# Altium PCB P-MT3620RDB-1-6.PcbDoc (part 2 of 4)
Units mm, origin at the board's own origin, x right, y up, seen from the top; angles counter-clockwise.
Board outline 50 x 85 mm, 4 copper layers (Component Side, Ground Plane, Power Plane, Solder Side), stack 1.63 mm thick; 249 components, 202 nets, 875 pads, 821 vias.
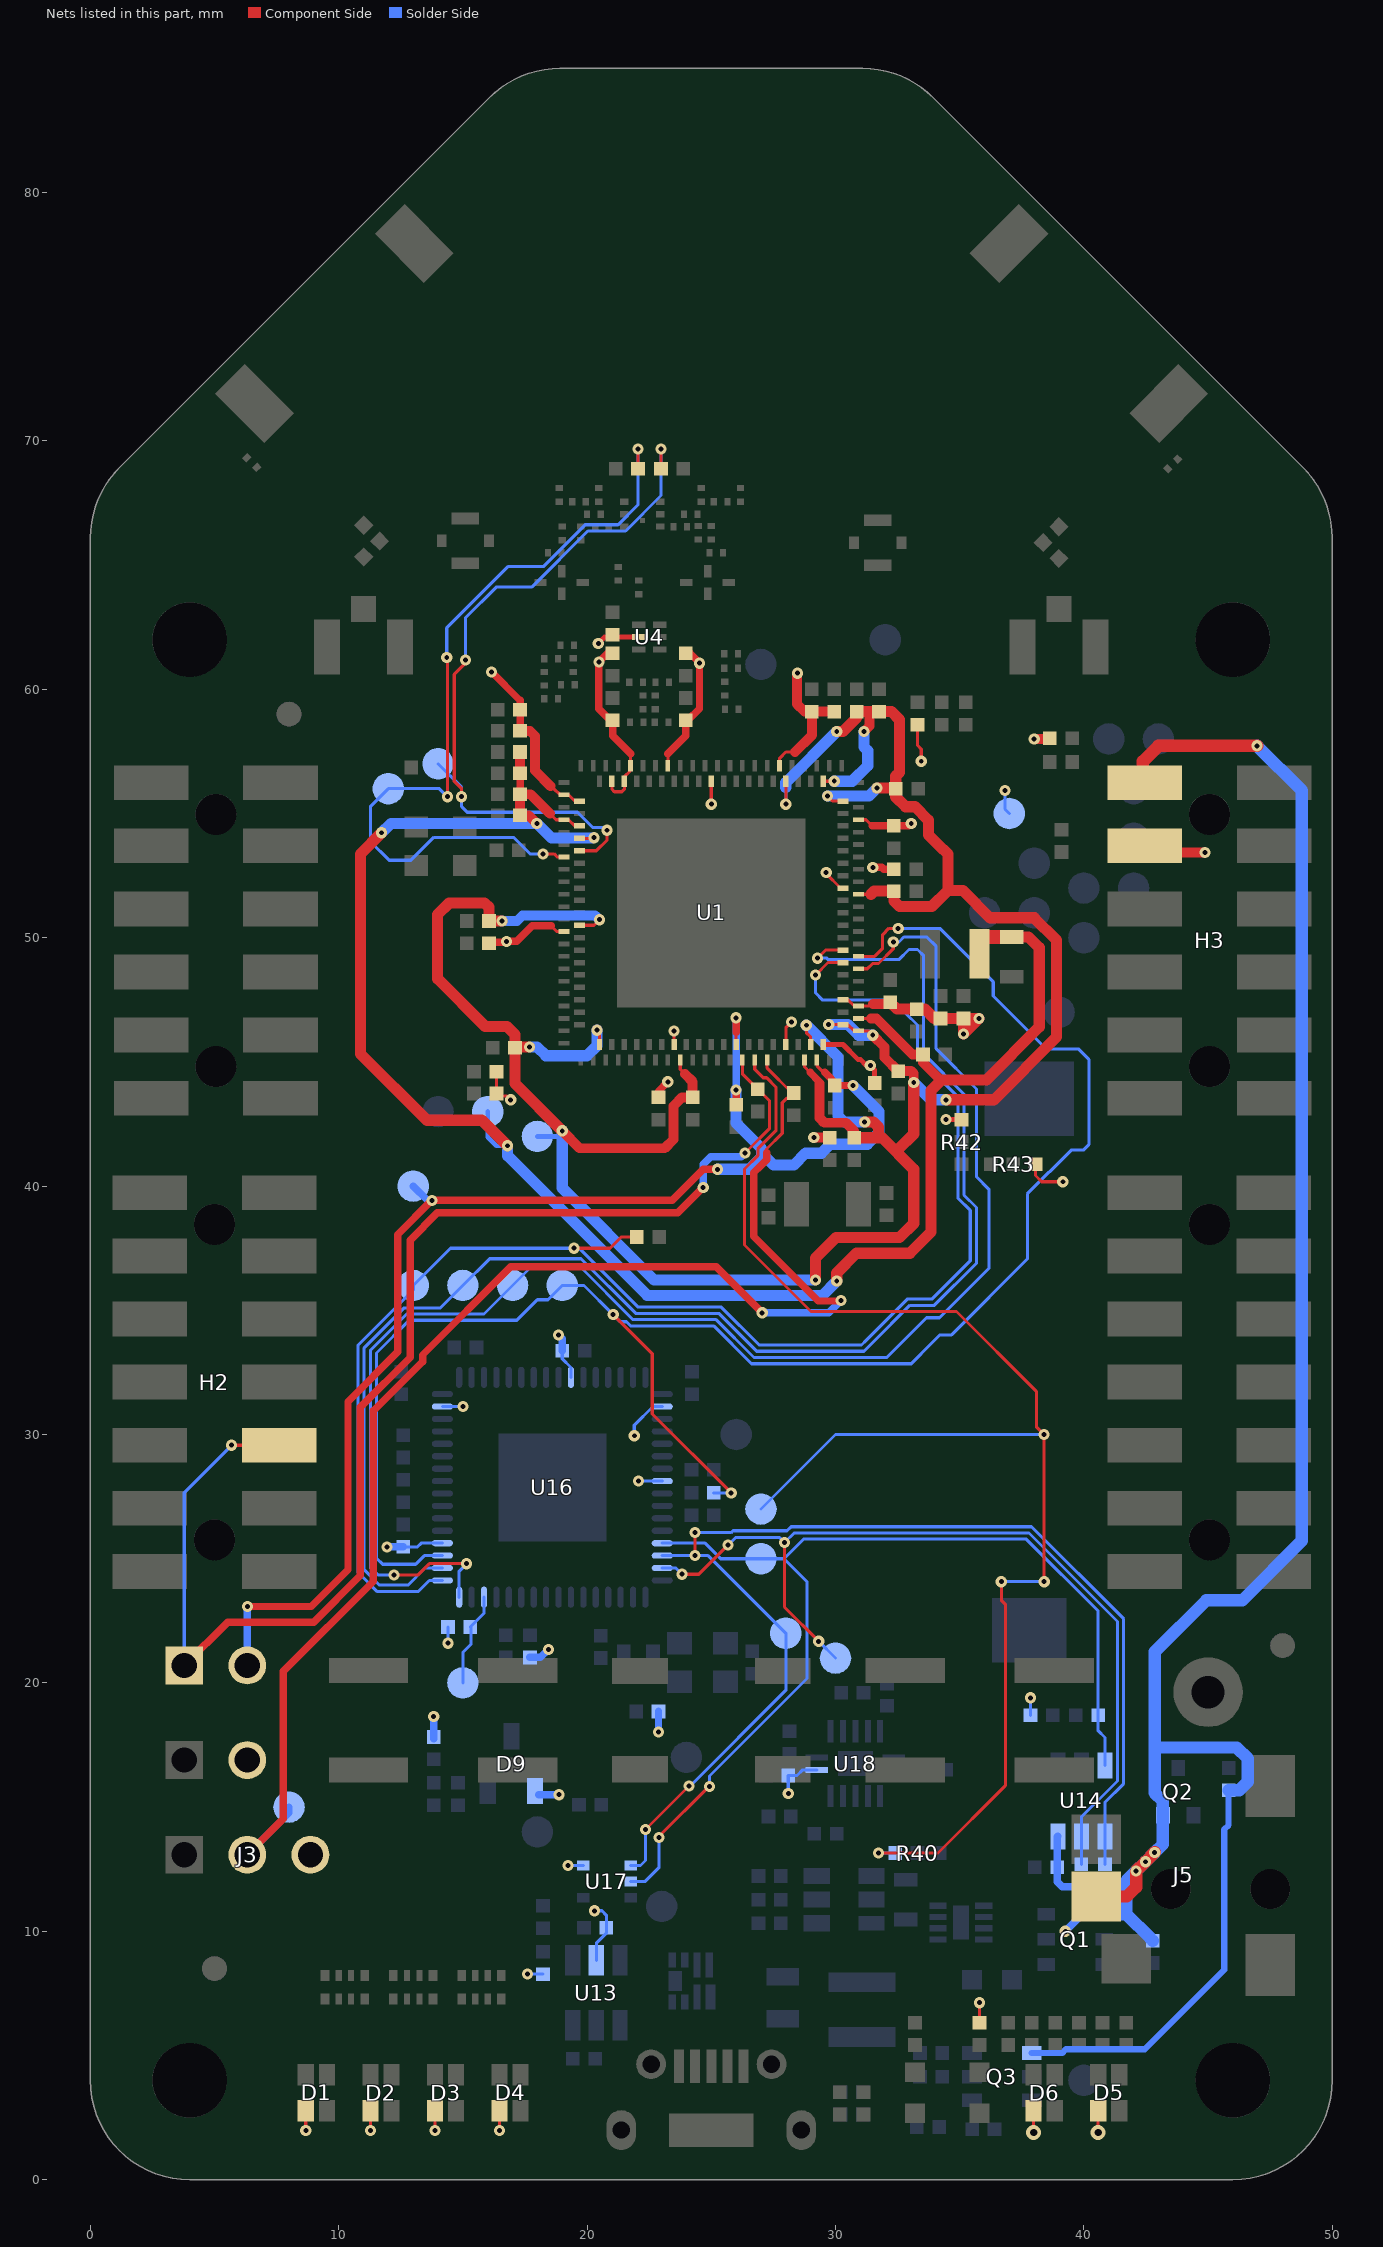
[diagram p4: the nets of this part, all layers, seen from the top]

## Part data (continued)
D1 D2 D3 D4 D5 D6: "LED RGB DIFFUSED 0606 SMD", Color="Red, Green, Blue (RGB)", Current - Test="20mA Red, 20mA Green, 20mA Blue", Lens Color=White, Manufacturer="Lite-On Inc.", Millicandela Rating="112.5mcd Red, 281mcd Green, 104mcd Blue", Package / Case="0606 (1616 Metric)", Supplier Part Number 1=160-2162-1-ND, Voltage - Forward (Vf) (Typ)="2.1V Red, 3.35V Green, 3.35V Blue", Category=Optoelectronics, ComponentLink1Description=http://optoelectronics.liteon.com/upload/download/DS22-2008-0044/S_110_LTST-C19HE1WT.pdf, ComponentLink1URL=http://optoelectronics.liteon.com/upload/download/DS22-2008-0044/S_110_LTST-C19HE1WT.pdf, Features=-, Height (Max)=0.35mm, Lens Style/Size="Rectangle with Flat Top, 1.15mm x 1.60mm", Lens Transparency=Diffused, Manufacturer Part Number=LTST-C19HE1WT, Mounting Type="Surface Mount", Packaging="Cut Tape (CT)", Part Status=Active, Pricing 1="1=0.45, 10=0.32, 25=0.2616, 100=0.2093, 250=0.17664, 500=0.15048, 1000=0.11776 (GBP)", RoHS="RoHS Compliant", Size / Dimension="1.60mm L x 1.60mm W", Stock 1=464778, Supplier 1=Digi-Key, Viewing Angle=130°, Wavelength - Dominant="624nm Red, 525nm Green, 470nm Blue", Wavelength - Peak="632nm Red, 520nm Green, 468nm Blue"
D7: library part SML-D12U, "1.6 x 0.8 x 0.55mm (0603) LED 620nm Red", Colour=Red, Current - Test=20mA, Luminous Flux @ Current - Test=-, Manufacturer="Rohm Semiconductor", Manufacturer Part Number=SML-D12U8WT86, Millicandela Rating=63mcd, Package / Case="0603 (1608 Metric)", Supplier Part Number 1=511-1580-1-ND, Voltage - Forward (Vf) (Typ)=2.2V, Category=Optoelectronics, ComponentLink1Description=http://rohmfs.rohm.com/en/products/databook/datasheet/opto/led/chip_mono/sml-d1.pdf, ComponentLink1URL=http://rohmfs.rohm.com/en/products/databook/datasheet/opto/led/chip_mono/sml-d1.pdf, Height=0.55mm, Lens Style/Size="Rectangle with Flat Top, 1.2mm x 0.8mm", Lens Type="Diffused, White", Mounting Type="Surface Mount", Packaging="Cut Tape (CT)", Pricing 1="1=0.38, 10=0.279, 25=0.2232, 100=0.1478, 250=0.1046, 500=0.08926, 1000=0.06974 (GBP)", RoHS="RoHS Compliant", Size / Dimension="1.60mm L x 0.80mm W", Stock 1=5722, Supplier 1=Digi-Key, Supplier 2=Farnell, Supplier Part Number 2=1685094, Viewing Angle=-, Wavelength - Dominant=620nm, Wavelength - Peak=-
D8: library part SML-D12P, "1.6 x 0.8 x 0.55mm (0603) LED 560nm Green", Colour=Green, Current - Test=20mA, Luminous Flux @ Current - Test=-, Manufacturer="Rohm Semiconductor", Manufacturer Part Number=SML-D12P8WT86, Millicandela Rating=6.3mcd, Package / Case="0603 (1608 Metric)", Supplier Part Number 1=511-1579-1-ND, Voltage - Forward (Vf) (Typ)=2.2V, Category=Optoelectronics, ComponentLink1Description=http://rohmfs.rohm.com/en/products/databook/datasheet/opto/led/chip_mono/sml-d1.pdf, ComponentLink1URL=http://rohmfs.rohm.com/en/products/databook/datasheet/opto/led/chip_mono/sml-d1.pdf, Height=0.55mm, Lens Style/Size="Rectangle with Flat Top, 1.2mm x 0.8mm", Lens Type="Diffused, White", Mounting Type="Surface Mount", Packaging="Cut Tape (CT)", Pricing 1="1=0.38, 10=0.279, 25=0.2232, 100=0.1478, 250=0.1046, 500=0.08926, 1000=0.06974 (GBP)", RoHS="RoHS Compliant", Size / Dimension="1.60mm L x 0.80mm W", Stock 1=19305, Supplier 1=Digi-Key, Viewing Angle=-, Wavelength - Dominant=560nm, Wavelength - Peak=-
D9: "DIODE ARRAY SCHOTTKY 30V SOT23-3", Average Rectified Current=100mA, Capacitance=7pF, Case/Package=SOT-23, Forward Voltage=1V, Manufacturer=STMicroelectronics, Max Forward Surge Current (Ifsm)=750mA, Max Operating Temperature=150°C, Max Repetitive Reverse Voltage (Vrrm)=30V, Min Operating Temperature=-65°C, Package Quantity=3000, Peak Reverse Current=500nA, Power Dissipation=250mW, Supplier Part Number 1=1562326RL, ComponentLink1Description=http://www.farnell.com/datasheets/1700360.pdf, ComponentLink1URL=http://www.farnell.com/datasheets/1700360.pdf, ComponentLink2Description=http://www.jameco.com/Jameco/Products/ProdDS/869700.pdf, ComponentLink2URL=http://www.jameco.com/Jameco/Products/ProdDS/869700.pdf, ComponentLink3Description=http://www.alliedelec.com/images/products/datasheets/bm/STMICROELECTRONICS/70013844.pdf, ComponentLink3URL=http://www.alliedelec.com/images/products/datasheets/bm/STMICROELECTRONICS/70013844.pdf, ComponentLink4Description=http://www.farnell.com/datasheets/1837092.pdf, ComponentLink4URL=http://www.farnell.com/datasheets/1837092.pdf, ComponentLink5Description=http://www.st.com/content/ccc/resource/technical/document/datasheet/b3/b4/6e/ab/17/40/40/62/CD00000764.pdf/files/CD00000764.pdf/jcr:content/translations/en.CD00000764.pdf, ComponentLink5URL=http://www.st.com/content/ccc/resource/technical/document/datasheet/b3/b4/6e/ab/17/40/40/62/CD00000764.pdf/files/CD00000764.pdf/jcr:content/translations/en.CD00000764.pdf, ComponentLink6Description=http://www.st.com/web/en/resource/technical/document/datasheet/CD00000764.pdf, ComponentLink6URL=http://www.st.com/web/en/resource/technical/document/datasheet/CD00000764.pdf, Contact Plating=Matte,Tin, Current Rating=100mA, Element Configuration="Common Cathode", Forward Current=100mA, Height=0.95mm, Lead Free="Lead Free", Length=2.9mm, Manufacturer Part Number=BAR43CFILM, Max Reverse Voltage (DC)=30V, Mount="Surface Mount", Number of Pins=3, Packaging="Tape and Reel", Peak Non-Repetitive Surge Current=750mA, Radiation Hardening=No, REACH SVHC="No SVHC", Reverse Recovery Time=5ns, Stock 1=0, Supplier 1=Farnell, Termination=SMD/SMT, Voltage Rating (DC)=30V, Weight=0.01lb, Width=3.05mm
GND: "VERO - 20-2136 - TERMINAL, PCB, BLACK, PK100", Colour=Black, Manufacturer=VERO, Supplier Part Number 1=8731195, Body Height Max=3.1, Body Height Min=2.9, ComponentLink1Description=http://www.farnell.com/datasheets/1697168.pdf, ComponentLink1URL=http://www.farnell.com/datasheets/1697168.pdf, Connector Colour=Black, Connector Mounting="Through Hole Mount", Contact Material="Phosphor Bronze", Contact Plating="Tin Plated Contacts", External Length / Height=8.7, Lead Length=3.4, Manufacturer Part Number=20-2136, Material=Glass, Mounting Hole Dia=1.32, Panel Thickness="1.6mm<!--FANDB--><div class=\"features-and-benefits-container\"><div class=\"features-and-benefits-description\"><span class=\"features-benefits-value\">The 20-2136 from Vero is a black bead terminal assembly for 1.32mm hole size. This PCB test point is used for attaching leads to test scopes and probes with scintered glass insulator. The compliant pin design allows terminal to be inserted without damaging hole plating. The terminal will remain in place even when the board is inverted for soldering. The sintered glass bead has a recommended maximum working temperature of 475°C. This exceeds all current standard temperature profile requirements.</span></div><div class=\"features-and-benefits-list\"><ul class=\"features-and-benefits-list-list\"><li class=\"features-and-benefits-list-item\">Used for 1.6", PCB Hole Diameter=1.32, Pricing 1="100=0.1129, 500=0.1073, 1000=0.1016, 5000=0.096, 10000=0.0903 (GBP)", Product Range="Type 8 Series", RoHS=YES, Stock 1=960, Supplier 1=Farnell, SVHC="No SVHC (17-Dec-2015)"
H1 H3: "CONN HEADER 12POS .100\" SMD GOLD", Case/Package=SMD/SMT, Housing Colour=Black, Manufacturer=Samtec, Max Current Rating=7A, Max Operating Temperature=125°C, Max Voltage Rating (AC)=475V, Min Operating Temperature=-55°C, Supplier Part Number 1=SAM12240-ND, ComponentLink1Description=http://components.arrow.com/part/dataview/0323_01322952, ComponentLink1URL=http://components.arrow.com/part/dataview/0323_01322952, ComponentLink2Description=http://www.samtec.com/documents/webfiles/pdf/TSM.PDF, ComponentLink2URL=http://www.samtec.com/documents/webfiles/pdf/TSM.PDF, Connector Type=Solder, Contact Material=Bronze, Contact Plating=Nickel,Gold, Depth=5.08mm, Gender=Male, Housing Material=Polymer, Lead Free="Lead Free", Length=15.24mm, Manufacturer Part Number=TSM-106-01-L-DV-A, Number of Contacts=12, Number of Rows=2, Orientation=Straight, Packaging=Rail/Tube, Pitch=2.54mm, Pricing 1="1=1.92, 10=1.74, 100=1.491, 500=1.2425, 1000=1.065, 5000=0.9443, 10000=0.923 (USD)", Radiation Hardening=No, Stock 1=294, Supplier 1=Digi-Key, Termination=Solder
H2 H4: "CONN HEADER 14POS .100\" SMD GOLD", Case/Package=100, Colour=Black, Manufacturer=Samtec, Max Current Rating=7A, Max Operating Temperature=125°C, Max Voltage Rating (AC)=475V, Min Operating Temperature=-55°C, Supplier Part Number 1=SAM10809-ND, ComponentLink1Description=https://datasheet.ciiva.com/739/tsm-1xx-xx-xxx-xx-x-xxx-x-mkt-739691.pdf, ComponentLink1URL=https://datasheet.ciiva.com/739/tsm-1xx-xx-xxx-xx-x-xxx-x-mkt-739691.pdf, Connector Type="Male Pin", Contact Material=Bronze, Contact Mating Length=0.23inch, Contact Plating=Nickel,Gold, Depth=5.08mm, Housing Colour=Black, Housing Material=Polymer, Lead Free="Lead Free", Length=17.78mm, Manufacturer Part Number=TSM-107-01-L-DV-A, Mount="Surface Mount", Number of Contacts=14, Number of Positions=14, Number of Rows=2, Orientation=Straight, Packaging=Rail/Tube, Pitch=2.54mm, Pricing 1="1=2.14, 10=1.938, 100=1.6611, 500=1.3843, 1000=1.1865, 5000=1.052 (USD)", Row Spacing=0.1inch, Stock 1=450, Supplier 1=Digi-Key, Termination=Solder
J1 J2: "CONN HEADER 2POS .100 VERT TIN", Color=Black, Manufacturer="Molex, LLC", Manufacturer Part Number=0022284020, Supplier Part Number 1=WM50014-02-ND, Category="Connectors, Interconnects", ComponentLink1Description=http://www.molex.com/pdm_docs/sd/022284020_sd.pdf, ComponentLink1URL=http://www.molex.com/pdm_docs/sd/022284020_sd.pdf, Connector Type="Header, Unshrouded, Breakaway", Contact Finish=Tin, Contact Finish Thickness="100µin (2.54µm)", Contact Mating Length="0.240\" (6.10mm)", Contact Type="Male Pin", Fastening Type=-, Features=-, Mounting Type="Through Hole", Number of Positions=2, Number of Positions Loaded=All, Number of Rows=1, Packaging=Bulk, Pitch="0.100\" (2.54mm)", Pricing 1="1=0.12, 10=0.108, 25=0.0808, 50=0.0692, 100=0.0668, 250=0.0576, 500=0.0553 (GBP)", RoHS="RoHS Compliant", Row Spacing=-, Stock 1=10077, Supplier 1=Digi-Key, Termination=Solder
J3: "CONN HEADER 3POS .100 VERT TIN", Color=Black, Manufacturer="Molex, LLC", Manufacturer Part Number=0022284030, Supplier Part Number 1=WM50014-03-ND, Category="Connectors, Interconnects", ComponentLink1Description=http://www.molex.com/pdm_docs/sd/022284030_sd.pdf, ComponentLink1URL=http://www.molex.com/pdm_docs/sd/022284030_sd.pdf, Connector Type="Header, Unshrouded, Breakaway", Contact Finish=Tin, Contact Finish Thickness="100µin (2.54µm)", Contact Mating Length="0.240\" (6.10mm)", Contact Type="Male Pin", Fastening Type=-, Features=-, Mounting Type="Through Hole", Number of Positions=3, Number of Positions Loaded=All, Number of Rows=1, Packaging=Bulk, Pitch="0.100\" (2.54mm)", Pricing 1="1=0.12, 10=0.115, 25=0.0984, 50=0.086, 100=0.0799, 250=0.07068, 500=0.0676 (GBP)", RoHS="RoHS Compliant", Row Spacing=-, Stock 1=4665, Supplier 1=Digi-Key, Termination=Solder
J4: library part MCR-B-S-RA-SMT-CS5-T/R, Manufacturer="Adam Tech", Manufacturers Part Number=MCR-B-S-RA-SMT-CS5-T/R, Supplier 1="Adam Tech", Supplier Part Number 1=MCR-B-S-RA-SMT-CS5-T/R
J5: "CLIFF ELECTRONIC COMPONENTS, FC68145S, DC Power Connector, Jack, 1 A, 1.3 mm, Surface Mount", Current Rating=1A, Manufacturer=Cliff, Supplier Part Number 1=1889307, Voltage Rating=12V, Barrel Inner Diameter=-, Barrel Length=-, Barrel Outer Diameter=3.7mm, ComponentLink1Description=https://datasheet.ciiva.com/6838/1303385-6838100.pdf, ComponentLink1URL=https://datasheet.ciiva.com/6838/1303385-6838100.pdf, ComponentLink2Description=https://datasheet.ciiva.com/7653/1864271-7653766.pdf, ComponentLink2URL=https://datasheet.ciiva.com/7653/1864271-7653766.pdf, Connector Mounting="Surface Mount", Contact Termination Type="Surface Mount", Gender=Jack, Manufacturer Part Number=FC68145S, Pin Diameter=1.3mm, Pricing 1="1=1.87, 25=1.17, 50=0.917, 150=0.823, 250=0.736, 500=0.674, 1500=0.571, 2500=0.509 (EUR)", Product Range=-, Stock 1=1068, Supplier 1=Farnell, SVHC="No SVHC (17-Dec-2015)"
J6 J7: "CONN UMC RECEPT SMD 2x2mm", Dielectric Material=-, Frequency - Max=11GHz, Manufacturer="Murata Electronics North America", Manufacturer Part Number=MM8030-2610RK0, Operating Temperature="-40°C ~ 85°C", Supplier Part Number 1=490-11804-1-ND, Voltage Rating=30V, Body Finish=-, Body Material=-, Cable Group=-, Category="Connectors, Interconnects", Center Contact Material=-, Center Contact Plating=Gold, ComponentLink1Description=http://www.murata.com/~/media/webrenewal/support/library/catalog/products/switch/switch/o33e.ashx, ComponentLink1URL=http://www.murata.com/~/media/webrenewal/support/library/catalog/products/switch/switch/o33e.ashx, Connector Style="Ultra Miniature Coaxial", Connector Type="Receptacle, Female Socket", Contact Termination=Solder, Fastening Type=Snap-On, Features="Internal Switch", Housing Color=-, Impedance="50 Ohm", Ingress Protection=-, Mounting Type="Surface Mount", NoThermalRelief=true, Packaging="Cut Tape (CT)", Pricing 1="1=0.34, 10=0.325, 25=0.2788, 50=0.2368, 100=0.2276, 250=0.2044, 500=0.1951, 1000=0.16258, 2500=0.14864 (GBP)", RoHS="RoHS Compliant", Shield Termination=Solder, Stock 1=11893, Supplier 1=Digi-Key
J8 J9: "CONN UMC JACK STR 50 OHM SMD", Dielectric Material="Liquid Crystal Polymer (LCP)", Frequency - Max=6GHz, Housing Color=Beige, Manufacturer="Hirose Electric (HRS)", Operating Temperature="-40°C ~ 90°C", Standard Package=2,500, Supplier Part Number 1=1688077RL, Voltage Rating=-, Body Finish=Silver, Body Material="Phosphor Bronze", Cable Group=-, Category="Connectors, Interconnects", Center Contact Material=Brass, Center Contact Plating=Gold, ComponentLink1Description=https://datasheet.ciiva.com/11762/0900766b8105243f-11762474.pdf, ComponentLink1URL=https://datasheet.ciiva.com/11762/0900766b8105243f-11762474.pdf, ComponentLink2Description=https://datasheet.ciiva.com/7651/91524-7651915.pdf, ComponentLink2URL=https://datasheet.ciiva.com/7651/91524-7651915.pdf, ComponentLink3Description=https://datasheet.ciiva.com/7651/91524-7651914.pdf, ComponentLink3URL=https://datasheet.ciiva.com/7651/91524-7651914.pdf, Connector Style="U.FL, Ultra Miniature Coaxial", Connector Type="Receptacle, Male Pin", Contact Termination=Solder, Family="Coaxial Connectors (RF)", Fastening Type=Snap-On, Featured Product="U.FL Series Connectors", Features=-, Impedance="50 Ohm", Ingress Protection=-, Manufacturer Part Number=U.FL-R-SMT-1(10), Mounting Type="Surface Mount", NoThermalRelief=true, Online Catalog="UMCC (Ultra Miniature Coax Connectors), U.FL Series", Other Names="H11891TR  Q5400621  U.FL-R-SMT-1 10  U.FL-R-SMT-1(10)-ND  UFLRSMT110", Packaging="Tape & Reel (TR)", Pricing 1="1=0.84, 10=0.77 (GBP)", Series=U.FL, Shield Termination=Solder, Stock 1=11130, Supplier 1=Farnell
L1 L13: library part "1.2nH 0201", "FIXED IND 1.2NH 1A 80 MOHM SMD", Case/Package=0201, Case Code (Metric)=0603, Current Rating=1A, DC Resistance (DCR)=80mR, Inductance=1.2nh, Manufacturer=TDK, Manufacturer Part Number=MHQ0603P1N2CT000, Max Operating Temperature=125°C, Min Operating Temperature=-55°C, Package Quantity=15000, Self Resonant Frequency=10GHz, Supplier Part Number 1=445-16782-6-ND, Test Frequency=500MHz, Case Code (Imperial)=0201, ComponentLink1Description=http://product.tdk.com/inductor/ind/en/documents/inductor_commercial_high-frequency_mhq_en.pdf, ComponentLink1URL=http://product.tdk.com/inductor/ind/en/documents/inductor_commercial_high-frequency_mhq_en.pdf, Core Material=Non-Magnetic, Height - Seated (Max)=0.016inch, Length=0.026inch, Mount="Surface Mount", NoThermalRelief=true, Packaging="Tape and Reel", Pricing 1="1=0.51, 10=0.443, 100=0.3163, 500=0.2657, 1000=0.2151, 2500=0.2024 (USD)", Shielding=Unshielded, Stock 1=13400, Supplier 1=Digi-Key, Width=0.014inch
L2: library part "0.8nH 0201", "FIXED IND 0.8NH 1A 70 MOHM SMD", Current - Saturation=-, Current Rating=1A, DC Resistance (DCR)="70 mOhm Max", Frequency - Self Resonant=10GHz, Frequency - Test=500MHz, Manufacturer="TDK Corporation", Manufacturer Part Number=MHQ0603P0N8CT000, Operating Temperature="-55°C ~ 125°C", Package / Case="0201 (0603 Metric)", Supplier Part Number 1=445-16758-1-ND, Tolerance=±0.2nH, Category="Inductors, Coils, Chokes", ComponentLink1Description=https://product.tdk.com/info/en/catalog/datasheets/inductor_commercial_high-frequency_mhq0603p_en.pdf, ComponentLink1URL=https://product.tdk.com/info/en/catalog/datasheets/inductor_commercial_high-frequency_mhq0603p_en.pdf, Height - Seated (Max)="0.016\" (0.40mm)", Inductance=0.8nH, Material - Core=Non-Magnetic, Mounting Type="Surface Mount", Packaging="Cut Tape (CT)", Pricing 1="1=0.31, 10=0.272, 50=0.2214, 100=0.2043, 500=0.17708, 1000=0.14984 (GBP)", Q @ Freq=-, Ratings=-, RoHS="RoHS Compliant", Shielding=Unshielded, Size / Dimension="0.026\" L x 0.014\" W (0.65mm x 0.35mm)", Stock 1=28900, Supplier 1=Digi-Key, Type=Multilayer
L4 L5: library part "1nH 0201", "FIXED IND 1NH 1A 70 MOHM SMD", Current - Saturation=-, Current Rating=1A, DC Resistance (DCR)="70 mOhm Max", Frequency - Self Resonant=10GHz, Frequency - Test=500MHz, Manufacturer="TDK Corporation", Manufacturer Part Number=MHQ0603P1N0CT000, Operating Temperature="-55°C ~ 125°C", Package / Case="0201 (0603 Metric)", Supplier Part Number 1=445-16776-1-ND, Tolerance=±0.2nH, Category="Inductors, Coils, Chokes", ComponentLink1Description=https://product.tdk.com/info/en/catalog/datasheets/inductor_commercial_high-frequency_mhq0603p_en.pdf, ComponentLink1URL=https://product.tdk.com/info/en/catalog/datasheets/inductor_commercial_high-frequency_mhq0603p_en.pdf, Height - Seated (Max)="0.016\" (0.40mm)", Inductance=1nH, Material - Core=Non-Magnetic, Mounting Type="Surface Mount", NoThermalRelief=true, Packaging="Cut Tape (CT)", Pricing 1="1=0.34, 10=0.3, 50=0.2436, 100=0.2248, 500=0.1948, 1000=0.16483 (GBP)", Q @ Freq=-, Ratings=-, RoHS="RoHS Compliant", Shielding=Unshielded, Size / Dimension="0.026\" L x 0.014\" W (0.65mm x 0.35mm)", Stock 1=28900, Supplier 1=Digi-Key, Type=Multilayer
L7 L8: library part LQP03TN1N5B02D, "MURATA - LQP03TN1N5B02D - INDUCTOR, 1.5NH, 0.6A, 0.1NH, 15GHZ", DC Current Rating=600, DC Resistance Max=0.15, High Frequency Inductor Case="0201 [0603 Metric]", Inductance=1.5, Inductance Tolerance="± 0.1", Inductor Construction="Thin Film", Manufacturer=MURATA, Self Resonant Frequency Min=15, Supplier Part Number 1=2470348RL, ComponentLink1Description=http://www.farnell.com/datasheets/1888754.pdf, ComponentLink1URL=http://www.farnell.com/datasheets/1888754.pdf, Manufacturer Part Number=LQP03TN1N5B02D, NoThermalRelief=true, Packaging="Cut Tape", Pricing 1="10=0.0488, 100=0.037, 500=0.0284, 2500=0.023, 7500=0.021, 15000=0.0179, 75000=0.0163, 150000=0.016 (GBP)", Product Range=LQP03, RoHS=YES, Stock 1=2224, Supplier 1=Farnell, SVHC="No SVHC (17-Dec-2015"
L9: library part NR3015T2R2M, "FIXED IND 2.2UH 1.5A 72 MOHM SMD", Current - Saturation=1.48A, Current Rating=1.5A, DC Resistance (DCR)="72 mOhm Max", Frequency - Self Resonant=64MHz, Frequency - Test=100kHz, Manufacturer="Taiyo Yuden", Operating Temperature="-25°C ~ 120°C", Package / Case=Nonstandard, Q @ Freq=-, Supplier Part Number 1=587-1648-1-ND, Tolerance=±20%, Category="Inductors, Coils, Chokes", ComponentLink1Description=http://ds.yuden.co.jp/TYCOMPAS/ut/detail.do?productNo=NR3015T2R2M&fileName=NR3015T2R2M_SS&mode=specSheetDownload, ComponentLink1URL=http://ds.yuden.co.jp/TYCOMPAS/ut/detail.do?productNo=NR3015T2R2M&fileName=NR3015T2R2M_SS&mode=specSheetDownload, Height - Seated (Max)="0.059\" (1.50mm)", Inductance=2.2µH, Manufacturer Part Number=NR3015T2R2M, Material - Core=Ferrite, Mounting Type="Surface Mount", Packaging="Cut Tape (CT)", Pricing 1="1=0.23, 10=0.209, 25=0.1864, 50=0.163, 100=0.1513, 250=0.13964, 500=0.13268, 1000=0.10707 (GBP)", Ratings=-, RoHS="RoHS Compliant", Shielding=Shielded, Size / Dimension="0.118\" L x 0.118\" W (3.00mm x 3.00mm)", Stock 1=150589, Supplier 1=Digi-Key, Type=Wirewound
L10: library part MAMK2520T2R2M, "FIXED IND 2.2UH 1.9A 117 MOHM", Current - Saturation=2A, Current Rating=1.9A, DC Resistance (DCR)="117 mOhm Max", Frequency - Self Resonant=-, Frequency - Test=2MHz, Manufacturer="Taiyo Yuden", Operating Temperature="-40°C ~ 105°C", Package / Case="1008 (2520 Metric)", Supplier Part Number 1=587-3226-1-ND, Tolerance=±20%, Category="Inductors, Coils, Chokes", ComponentLink1Description=http://ds.yuden.co.jp/TYCOMPAS/ut/detail.do?productNo=MAMK2520T2R2M&fileName=MAMK2520T2R2M_SS&mode=specSheetDownload, ComponentLink1URL=http://ds.yuden.co.jp/TYCOMPAS/ut/detail.do?productNo=MAMK2520T2R2M&fileName=MAMK2520T2R2M_SS&mode=specSheetDownload, Height - Seated (Max)="0.047\" (1.20mm)", Inductance=2.2µH, Manufacturer Part Number=MAMK2520T2R2M, Material - Core=Metal, Mounting Type="Surface Mount", Packaging="Cut Tape (CT)", Pricing 1="1=0.34, 10=0.306, 25=0.2864, 50=0.2482, 100=0.2291, 250=0.21768, 500=0.19858, 1000=0.16803 (GBP)", Q @ Freq=-, Ratings=-, RoHS="RoHS Compliant", Shielding=Shielded, Size / Dimension="0.098\" L x 0.079\" W (2.50mm x 2.00mm)", Stock 1=7120, Supplier 1=Digi-Key, Type=Wirewound
L11 L12: library part BLM15PD121SN1D, "FERRITE BEAD 120 OHM 0402 1LN", Current Rating (Max)=1.3A, DC Resistance (DCR) (Max)="90 mOhm", Impedance @ Frequency="120 Ohm @ 100MHz", Manufacturer="Murata Electronics North America", Operating Temperature="-55°C ~ 125°C", Package / Case="0402 (1005 Metric)", Ratings=-, Supplier Part Number 1=490-5203-2-ND, Category=Filters, ComponentLink1Description=http://search.murata.co.jp/Ceramy/image/img/PDF/ENG/L0110S0100BLM15PG~BLM15PD.pdf, ComponentLink1URL=http://search.murata.co.jp/Ceramy/image/img/PDF/ENG/L0110S0100BLM15PG~BLM15PD.pdf, Filter Type="Power Line", Height (Max)="0.022\" (0.55mm)", Manufacturer Part Number=BLM15PD121SN1D, Mounting Type="Surface Mount", Number of Lines=1, Packaging="Tape & Reel (TR)", Pricing 1="10000=0.01677, 20000=0.01557, 30000=0.0154, 50000=0.01498 (GBP)", RoHS="RoHS Compliant", Size / Dimension="0.039\" L x 0.020\" W (1.00mm x 0.50mm)", Stock 1=50000, Supplier 1=Digi-Key
L14: library part "2.0nH 0201", "FIXED IND 2NH 700MA 120 MOHM SMD", Case/Package=0201, Case Code (Metric)=0603, Current Rating=700mA, DC Resistance (DCR)=120mR, Inductance=2nh, Manufacturer=TDK, Manufacturer Part Number=MHQ0603P2N0CT000, Max Operating Temperature=125°C, Min Operating Temperature=-55°C, Package Quantity=15000, Self Resonant Frequency=10GHz, Supplier Part Number 1=445-16814-1-ND, Test Frequency=500MHz, Case Code (Imperial)=0201, ComponentLink1Description=https://datasheet.ciiva.com/41830/inductor-commercial-high-frequency-mhq-en-41830309.pdf, ComponentLink1URL=https://datasheet.ciiva.com/41830/inductor-commercial-high-frequency-mhq-en-41830309.pdf, Core Material=Non-Magnetic, Height - Seated (Max)=0.016inch, Length=0.026inch, Mount="Surface Mount", NoThermalRelief=true, Packaging="Cut Tape", Pricing 1="1=0.51, 10=0.443, 100=0.3163, 500=0.2657, 1000=0.2151, 2500=0.2024 (USD)", Shielding=Unshielded, Stock 1=13400, Supplier 1=Digi-Key, Width=0.014inch
Q1: "MOSFET N&P-CH 30V (D-S)", Case/Package=TSOP, Continuous Drain Current (ID)=2.5A, Drain to Source Breakdown Voltage=30V, Drain to Source Resistance=170mR, Gate to Source Voltage (Vgs)=12V, Manufacturer="Vishay Siliconix", Max Operating Temperature=150°C, Max Power Dissipation=830mW, Min Operating Temperature=-55°C, Package Quantity=3000, Supplier Part Number 1=SI3590DV-T1-E3DKR-ND, ComponentLink1Description=https://datasheet.ciiva.com/4441/72032-244663-4441688.pdf, ComponentLink1URL=https://datasheet.ciiva.com/4441/72032-244663-4441688.pdf, ComponentLink2Description=https://datasheet.ciiva.com/11158/72032-11158835.pdf, ComponentLink2URL=https://datasheet.ciiva.com/11158/72032-11158835.pdf, ComponentLink3Description=https://datasheet.ciiva.com/6388/72032-6388120.pdf, ComponentLink3URL=https://datasheet.ciiva.com/6388/72032-6388120.pdf, ComponentLink4Description=https://datasheet.ciiva.com/6388/72032-6388117.pdf, ComponentLink4URL=https://datasheet.ciiva.com/6388/72032-6388117.pdf, ComponentLink5Description=https://datasheet.ciiva.com/26145/72032-26145319.pdf, ComponentLink5URL=https://datasheet.ciiva.com/26145/72032-26145319.pdf, Drain to Source Voltage (Vdss)=30V, Fall Time=15ns, Height=1mm, Lead Free="Lead Free", Length=3.05mm, Manufacturer Part Number=SI3590DV-T1-E3, Mount="Surface Mount", Nominal Vgs=600mV, Number of Channels=2, Number of elements=2, Number of Pins=6, Packaging="Tape and Reel", Power Dissipation=830mW, Pricing 1="1=0.71, 10=0.612, 25=0.5712, 100=0.4568, 250=0.4242, 500=0.3589, 1000=0.2774 (USD)", Radiation Hardening=No, Rds On Max=77mR, REACH SVHC=Unknown, Rise Time=15ns, Stock 1=43293, Supplier 1=Digi-Key, Turn-Off Delay Time=20ns, Turn-On Delay Time=5ns, Weight=0.000705oz, Width=1.65mm
Q2: "VISHAY SI1317DL-T1-GE3 MOSFET Transistor, P Channel, -1.4 A, -20 V, 0.125 ohm, -4.5 V, 450 mV", Case/Package=SOT-323-3, Continuous Drain Current (ID)=1.4A, Drain to Source Breakdown Voltage=20V, Drain to Source Resistance=270mR, Gate to Source Voltage (Vgs)=8V, Input Capacitance=272pF, Manufacturer="Vishay Siliconix", Max Operating Temperature=150°C, Max Power Dissipation=500mW, Min Operating Temperature=-50°C, Package Quantity=3000, Power Dissipation=400mW, Supplier Part Number 1=SI1317DL-T1-GE3CT-ND, Threshold Voltage=450mV, ComponentLink1Description=https://datasheet.ciiva.com/29746/si1317dl-29746785.pdf, ComponentLink1URL=https://datasheet.ciiva.com/29746/si1317dl-29746785.pdf, ComponentLink2Description=https://datasheet.ciiva.com/11158/si1317dl-11158622.pdf, ComponentLink2URL=https://datasheet.ciiva.com/11158/si1317dl-11158622.pdf, ComponentLink3Description=https://datasheet.ciiva.com/28424/si1317dl-28424683.pdf, ComponentLink3URL=https://datasheet.ciiva.com/28424/si1317dl-28424683.pdf, Contact Plating=Tin,Matte, Drain to Source Voltage (Vdss)=20V, Element Configuration=Single, Fall Time=18ns, Lead Free="Lead Free", Manufacturer Part Number=SI1317DL-T1-GE3, Mount="Surface Mount", Number of Channels=1, Number of elements=1, Number of Pins=3, Packaging="Tape and Reel", Pricing 1="1=0.55, 10=0.433, 100=0.2974, 500=0.2039, 1000=0.153 (USD)", Radiation Hardening=No, Rds On Max=150mR, REACH SVHC="No SVHC", Rise Time=30ns, Stock 1=79243, Supplier 1=Digi-Key, Turn-Off Delay Time=23ns, Turn-On Delay Time=12ns, Weight=0.004395oz